# KiCad board arena_10_of_10_v1r1.kicad_pcb (continued)
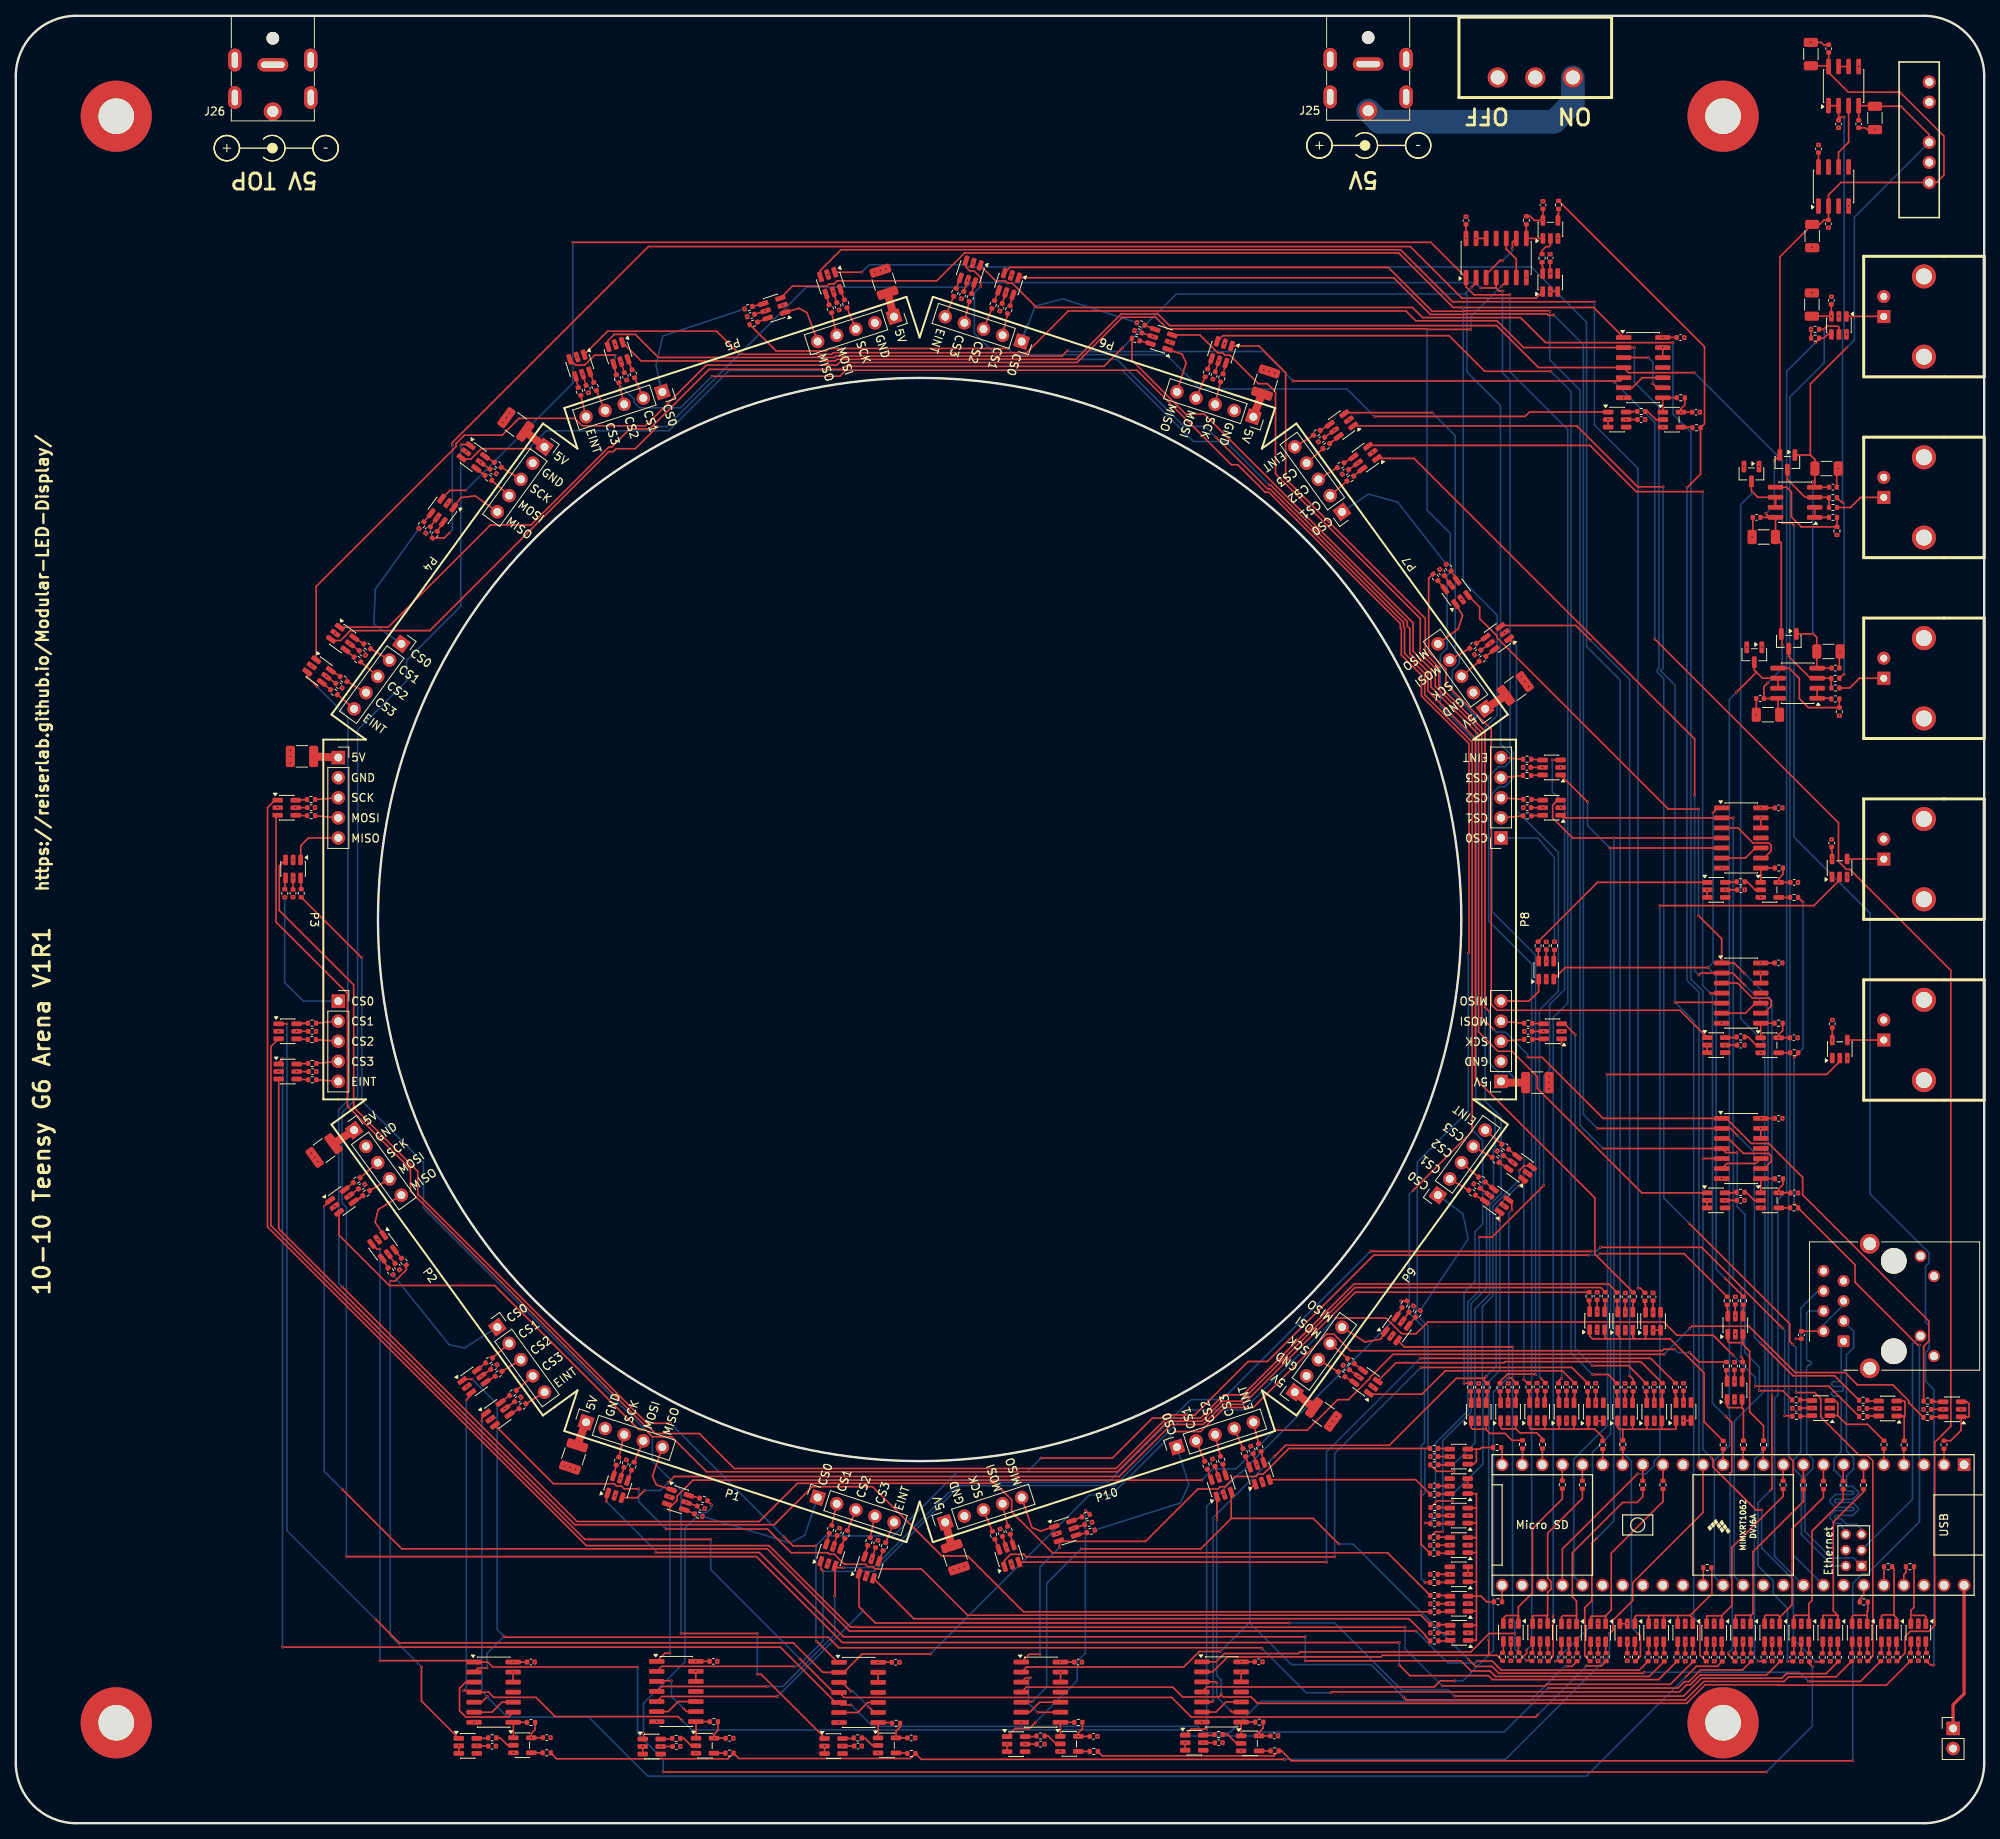
[diagram p0: board, top side]
## Routing (per net, layer and track width the routed paths; a pad name or vN(x,y) marks a point on that pad's centre or on a via; arc(x,y) is an arc through that point) (continued)
/Fan Out/PAN.SCK_B1_P10: length 93.4
  Top w0.2: R42.2 196.77,57.64 v1(177.67,57.64) ; v1(166.78,33.68) 127.79,33.68 127.46,34.01 125.81,34.01 125.03,33.23 U78.1
  Bottom w0.2: v1(177.67,57.64) 166.78,46.75 v1(166.78,33.68)
/Fan Out/TNY.CS_00: length 8.2
  Top w0.2: R1.1 244.68,48.38 246,49.7 U16.1 247.01,51.4 247.01,53.05 246.76,53.3 U16.3
/Fan Out/TNY.CS_01: length 7.1
  Top w0.2: R2.1 238.8,51.36 ; 238.8,51.36 238.66,51.5 U17.1 ; 238.8,51.36 238.9,51.46 238.9,53.29 238.79,53.4 U17.3
/Fan Out/TNY.CS_02: length 10.9
  Top w0.2: 230.41,51.55 231.51,50.45 234.17,50.45 R3.1 ; 230.41,51.55 U18.1 ; 230.41,51.55 230.41,53.13 230.09,53.45 U18.3
/Fan Out/TNY.CS_03: length 21.8
  Top w0.2: 230.4,26.29 228.57,26.29 228.51,26.24 U19.3 ; 230.4,26.29 229.84,26.85 229.84,38.08 233.66,41.9 R4.1 ; 230.4,26.29 230.42,26.28 ; 230.4,26.29 230.42,26.28 ; 230.42,26.28 230.42,25.22
/Fan Out/TNY.CS_04: length 22.1
  Top w0.2: 226.74,26.38 226.74,26.26 ; 226.74,26.38 226.74,26.26 ; 226.74,26.38 226.74,27.76 227.16,28.18 227.16,36.96 231.09,40.89 R5.1 ; 226.74,26.26 226.74,26.11 ; 226.74,26.26 226.7,26.3 224.99,26.3 224.84,26.15 U20.3 ; 226.74,26.26 226.74,26.11 ; 226.74,26.11 226.74,26.09 ; 226.74,26.11 226.75,26.1 226.74,26.09 ; 226.74,26 U20.1 ; 226.74,26 226.74,26.09 ; 226.74,26 226.74,26.09
/Fan Out/TNY.CS_05: length 22.4
  Top w0.2: R6.1 228.59,41.21 224.62,37.24 224.62,27.6 223.06,26.04 ; 223.06,26.04 U21.1 ; 223.06,26.04 223.06,26.13 222.88,26.31 221.3,26.31 221.16,26.17 U21.3
/Fan Out/TNY.CS_06: length 22.8
  Top w0.2: U22.3 217.48,26.3 217.47,26.3 219.31,26.3 219.38,26.24 ; 219.38,26.24 219.68,26.54 219.68,34.33 226.05,40.7 R7.1 ; 219.38,26.24 U22.1
/Fan Out/TNY.CS_07: length 23.2
  Top w0.2: U23.3 213.82,26.19 213.88,26.24 215.73,26.24 ; 215.73,26.24 217,27.52 217,34.86 223.49,41.35 R8.1 ; 215.73,26.24 U23.1
/Fan Out/TNY.CS_08: length 17.4
  Top w0.2: R9.1 221.01,50.27 219.26,52.02 219.26,59.7 218.4,60.56 218.4,60.78 ; 218.4,60.78 U24.3 ; 218.4,60.78 216.67,60.78 216.5,60.95 U24.1
/Fan Out/TNY.CS_09: length 8.1
  Top w0.2: U25.1 216.4,52.72 216.56,52.56 218.29,52.56 218.3,52.55 ; 218.3,52.55 218.47,52.38 R10.1 ; 218.3,52.55 U25.3
/Fan Out/TNY.CS_10: length 22.9
  Top w0.2: 201.05,26.23 201.01,26.19 199.24,26.19 199.15,26.1 U26.3 ; 201.05,26.23 U26.1 ; 201.05,26.23 201.76,26.94 201.76,34.15 208.3,40.69 R12.1
/Fan Out/TNY.CS_11: length 24.9
  Top w0.2: 197.37,26.25 197.37,26.2 ; 197.37,26.25 197.37,26.2 ; 197.37,26.25 195.66,26.25 195.46,26.06 195.46,25.21 ; 197.37,26.25 197.37,28.11 196.84,28.63 196.84,34.21 203.2,40.57 205.02,40.57 205.74,41.29 R13.1 ; 197.37,26.2 U27.1
/Fan Out/TNY.CS_12: length 22.2
  Top w0.2: 193.44,26.26 193.71,26.26 193.71,29.22 194.14,29.64 194.14,30.56 193.71,30.98 193.71,36.69 198.11,41.08 R16.1 ; 193.44,26.26 191.95,26.26 191.81,26.12 U28.3 ; 193.44,26.26 193.71,25.99 U28.1
/Fan Out/TNY.CS_13: length 22.3
  Top w0.2: 190.01,26.04 190.01,26.23 ; 190.01,26.04 190.01,26.23 ; 190.01,26.04 U29.1 ; 190.01,26.23 190.02,26.23 190.01,26.24 ; 190.01,26.23 190.01,26.24 ; 190.01,26.24 189.99,26.26 188.46,26.26 188.12,25.92 U29.3 ; 190.01,26.24 190.01,27.36 191.79,29.13 191.79,37.24 195.57,41.02 R17.1
/Fan Out/TNY.CS_14: length 8
  Top w0.2: 187.76,50.91 187.76,50.05 187.95,49.86 189.61,49.86 189.66,49.92 ; R18.1 193.06,48.65 192.34,49.37 190.21,49.37 189.66,49.92 ; 189.66,49.92 U30.3
/Fan Out/TNY.CS_15: length 9.2
  Top w0.2: R19.1 189.2,48.42 188.32,49.3 186.38,49.3 186.38,49.34 185.95,49.77 ; 185.95,49.77 U31.3 ; 185.95,49.77 185.89,49.83 184.23,49.83 184.05,50.01 U31.1
/Fan Out/TNY.CS_16: length 6.1
  Top w0.2: 184.7,47.32 183.61,47.32 ; 184.7,47.32 185.16,47.32 185.35,47.51 R20.1 ; 184.7,47.32 184.7,45.75 184.37,45.42 U32.1
/Fan Out/TNY.CS_17: length 10.2
  Top w0.2: U33.1 241.55,26.1 241.55,26.1 241.37,26.28 239.64,26.28 ; R21.1 240.04,27.29 239.64,26.9 239.64,26.28 ; 239.64,26.28 239.64,25.23
/Fan Out/TNY.CS_18: length 10.1
  Top w0.2: U34.1 237.82,25.98 237.52,26.28 237.52,26.36 ; 237.52,26.36 237.52,32.2 R22.1 ; 237.52,26.36 237.51,26.35 236.09,26.35 235.93,26.19 U34.3
/Fan Out/TNY.CS_19: length 5.7
  Top w0.2: 234.12,26.3 232.39,26.3 232.23,26.14 U35.3 ; 234.12,26.3 U35.1 ; 234.12,26.3 234.12,26.79 234.21,26.87 R23.1
/Fan Out/TNY.EINT: length 31.9
  Top w0.2: 184.71,28.71 184.71,30.51 ; 184.71,28.71 U40.3 ; 184.71,28.71 184.71,26.8 ; 184.71,28.71 185.3,28.71 186.01,28 R25.1 ; 184.71,30.51 184.69,30.53 U41.1 ; 184.71,30.51 184.71,34.24 ; 184.71,26.8 184.7,26.81 U40.1 ; 184.71,26.8 184.71,25.03 ; 184.71,37.94 184.71,39.83 ; 184.71,37.94 184.71,36.12 ; 184.71,37.94 184.69,37.96 183.62,37.96 ; 184.71,39.83 184.69,39.86 183.62,39.86 ; 184.71,39.83 184.71,41.67 184.72,41.68 U38.1 ; U39.3 184.71,25.03 184.71,25.03 ; U36.1 184.69,34.22 184.71,34.24 ; 184.71,25.03 184.71,23.12 184.59,23.12 184.59,23.12 183.66,23.12 ; 184.71,34.24 184.71,36.12 ; 184.71,36.12 U36.3
/Fan Out/TNY.MISO_B0: length 339.1
  Top w0.2: R195.1 213.55,186.75 213.55,177 R198.1 213.05,170.64 v1(211.33,168.92) ; R189.1 68.41,8.14 90.04,8.14 R186.1 91.44,8.18 113.14,8.18 R192.1 114.51,8.07 v1(160.46,8.07) ; U1.14 213.36,39.3 204.47,30.41 204.47,28.16 201.96,25.65 201.96,24.4 v1(201.54,23.98)
  Bottom w0.2: v1(211.33,168.92) 211.33,106.6 212.84,105.1 212.84,45.86 U1.14 ; v1(160.46,8.07) 188.39,8.07 201.54,21.22 v1(201.54,23.98)
/Fan Out/TNY.MISO_B1: length 218.4
  Top w0.2: R213.1 137.39,8.51 159.07,8.51 R210.1 160.05,9.15 161.31,7.89 v1(232.31,7.89) ; R204.1 225.4,97.38 v1(224.89,96.87) ; v1(226.02,116.54) 225.94,116.54 R207.1 ; v1(240.73,60.49) 240.51,60.49 232.59,68.41 232.59,70.63 R201.1 225.39,77.9 v1(224.89,78.41)
  Bottom w0.2: v1(224.89,78.41) v1(224.89,96.87) 226.02,98 v1(226.02,116.54) ; v1(232.31,7.89) 232.31,30.31 233.53,31.54 234.14,31.54 240.73,38.13 240.73,45.34 ; U1.3 240.73,45.34 ; 240.73,45.34 v1(240.73,60.49)
/Fan Out/TNY.MOSI_B0: length 32.8
  Top w0.2: 206.1,61.26 U9.1 ; 206.1,61.26 204.76,61.26 ; 206.1,61.26 209.19,61.26 213.5,56.95 213.5,50.77 R11.1 ; 204.76,61.26 203.03,61.26 ; 204.76,61.26 204.49,61.54 U8.3 ; 203.03,61.26 201.5,61.26 ; 203.03,61.26 202.58,61.71 202.58,62.37 ; 200.93,62 U7.3 200.93,62 ; 200.93,62 200.93,61.57 201.24,61.26 ; 199.03,62.02 U7.1 199.03,62.02 ; 199.03,62.02 199.03,61.62 199.39,61.26 201.24,61.26 ; 201.24,61.26 201.5,61.26 ; 201.24,61.26 201.5,61.26
/Fan Out/TNY.MOSI_B1: length 14.1
  Top w0.2: 206.24,49.82 208.14,49.82 ; 206.24,49.82 206.25,49.83 U14.1 ; 206.24,49.82 204.45,49.82 ; 208.14,49.82 209.89,49.82 209.95,49.88 209.95,50.93 ; 208.14,49.82 208.15,49.83 U14.3 ; U13.1 202.55,50.05 202.78,49.82 203.22,49.82 ; R14.1 203.22,49.82 ; 203.22,49.82 204.45,49.82 ; U13.3 204.45,49.82
/Fan Out/TNY.SCK_B0: length 19.5
  Top w0.2: U6.1 204.74,26.09 204.92,26.27 206.5,26.27 ; U5.3 210.17,26.24 210.13,26.27 ; 206.5,26.27 208.39,26.27 ; 206.5,26.27 206.49,26.26 U4.3 ; 210.13,26.27 208.39,26.27 ; 210.13,26.27 211.73,26.27 ; 208.39,26.27 U4.1 ; U5.1 212.06,25.94 211.73,26.27 ; 211.73,26.27 214.48,29.02 214.48,32.27 R24.1
/Fan Out/TNY.SCK_B1: length 15.4
  Top w0.2: 195.15,49.84 193.37,49.84 ; 195.15,49.84 197.04,49.84 ; 195.15,49.84 U11.1 ; 193.37,49.84 193.34,49.87 193.34,50.93 ; 193.37,49.84 191.6,49.84 191.44,50 191.44,50.93 ; 198.87,49.84 197.04,49.84 ; 198.87,49.84 199.67,49.84 200.68,48.83 R15.1 ; 198.87,49.84 198.85,49.86 U12.1 ; 197.04,49.84 197.05,49.85 U11.3
/Panels/Panel Column P1/Column Buffer/CS0_OUT: length 18.7
  Top w0.2: v1(86.82,38.81) R101.2 86.82,38.81
  Bottom w0.2: v1(86.82,38.81) 97.91,35.45 99.77,36.42 100.6,38.87 J6.1
/Panels/Panel Column P1/Column Buffer/CS1_OUT: length 2.8
  Top w0.2: 103.81,40.41 103.51,39.07 103.18,37.66 R102.2
/Panels/Panel Column P1/Column Buffer/CS2_OUT: length 2.8
  Top w0.2: R103.2 J6.3
/Panels/Panel Column P1/Column Buffer/CS_3OUT: length 2.8
  Top w0.2: J6.4 108.64,38.84 R104.2
/Panels/Panel Column P1/Column Buffer/EINT_OUT: length 2.8
  Top w0.2: R105.2 J6.5
/Panels/Panel Column P1/Column Buffer/MISO_IN: length 7.1
  Top w0.2: 82.94,42.17 81.01,42.79 80.51,43.9 J5.5 ; 82.94,42.17 U43.1 82.94,42.17
/Panels/Panel Column P1/Column Buffer/MOSI_OUT: length 2.9
  Top w0.2: 79.35,48.36 78.19,45.65 R100.2
/Panels/Panel Column P1/Column Buffer/SCK_OUT: length 2.9
  Top w0.2: J5.3 76.43,47.02 76.25,46.28
/Panels/Panel Column P2/Column Buffer/CS0_OUT: length 18.3
  Top w0.2: R109.2 47.69,69.38 ; 47.69,69.38 v1(47.69,69.38) ; 47.69,69.38 47.69,69.38
  Bottom w0.2: J8.1 60.89,62.74 56.75,60.11 54.8,60.52 v1(47.69,69.38)
/Panels/Panel Column P2/Column Buffer/CS1_OUT: length 2.8
  Top w0.2: R110.2 J8.2
/Panels/Panel Column P2/Column Buffer/CS2_OUT: length 3.2
  Top w0.2: 61.77,57.32 61.65,57.32 R111.2 61.77,57.32 ; 61.77,57.32 J8.3
/Panels/Panel Column P2/Column Buffer/CS_3OUT: length 2.8
  Top w0.2: 63.28,54.72 R112.2 J8.4
/Panels/Panel Column P2/Column Buffer/EINT_OUT: length 2.8
  Top w0.2: 66.86,54.52 65.97,53.97 R113.2
/Panels/Panel Column P2/Column Buffer/MISO_IN: length 7.1
  Top w0.2: U47.1 45.43,76.02 45.84,77.62 48.76,79.44 J7.5
/Panels/Panel Column P2/Column Buffer/MOSI_OUT: length 3.4
  Top w0.2: 45.07,80.19 44.93,80.19 R108.2 45.07,80.19 ; 45.07,80.19 J7.4
/Panels/Panel Column P2/Column Buffer/SCK_OUT: length 2.9
  Top w0.2: R107.2 J7.3
/Panels/Panel Column P3/Column Buffer/CS0_OUT: length 18.5
  Top w0.2: R117.2 v1(34.01,117.11)
  Bottom w0.2: 40.78,103.98 J10.1 36.37,103.98 33.99,106.32 v1(34.01,117.11)
/Panels/Panel Column P3/Column Buffer/CS1_OUT: length 2.8
  Top w0.2: 40.78,101.44 J10.2 R118.2
/Panels/Panel Column P3/Column Buffer/CS2_OUT: length 2.8
  Top w0.2: 40.78,98.9 J10.3 R119.2
/Panels/Panel Column P3/Column Buffer/CS_3OUT: length 2.8
  Top w0.2: R120.2 38,96.09 J10.4 40.78,96.36
/Panels/Panel Column P3/Column Buffer/EINT_OUT: length 2.8
  Top w0.2: 40.78,93.82 J10.5 R121.2
/Panels/Panel Column P3/Column Buffer/MISO_IN: length 7
  Top w0.2: 40.78,124.62 J9.5 37,124.62 36.04,123.64 36.01,121.84
/Panels/Panel Column P3/Column Buffer/MOSI_OUT: length 2.9
  Top w0.2: R116.2 J9.4 40.78,127.16
/Panels/Panel Column P3/Column Buffer/SCK_OUT: length 2.9
  Top w0.2: R115.2 J9.3 40.78,129.7
/Panels/Panel Column P4/Column Buffer/CS0_OUT: length 19.5
  Top w0.2: 50.99,163.77 51,163.77 50.99,163.77 ; 50.99,163.77 v1(50.99,163.77)
  Bottom w0.2: 48.76,149.16 45.28,151.65 45.46,156.06 v1(50.99,163.77) ; J12.1 47.68,149.95
/Panels/Panel Column P4/Column Buffer/CS1_OUT: length 2.8
  Top w0.2: J12.2 R126.2
/Panels/Panel Column P4/Column Buffer/CS2_OUT: length 2.8
  Top w0.2: 43.61,146.89 44.04,146.52 J12.3
/Panels/Panel Column P4/Column Buffer/CS_3OUT: length 2.8
  Top w0.2: J12.4 44.28,143 41.87,144.41 R128.2
/Panels/Panel Column P4/Column Buffer/EINT_OUT: length 2.8
  Top w0.2: 42.78,140.94 42.13,141.5 41.39,142.13 R129.2
/Panels/Panel Column P4/Column Buffer/MISO_IN: length 6.8
  Top w0.2: 60.89,165.86 60.89,165.86 ; 60.89,165.86 58.1,167.88 56.27,167.66 55.43,166.46 ; 60.89,165.86 J11.5
/Panels/Panel Column P4/Column Buffer/MOSI_OUT: length 2.9
  Top w0.2: J11.4 60.65,169.44 60.17,169.86
/Panels/Panel Column P4/Column Buffer/SCK_OUT: length 2.9
  Top w0.2: 61.36,171.51 62.17,171.02 J11.3
/Panels/Panel Column P5/Column Buffer/CS0_OUT: length 20
  Top w0.2: 92.16,191.53 R133.2 92.16,191.53 ; 92.16,191.53 v1(92.16,191.53)
  Bottom w0.2: 81.36,182.71 80.95,184.38 81.81,188.1 v1(92.16,191.53) ; 81.36,182.71 J14.1 81.3,182.48 81.36,182.54 81.36,182.71
/Panels/Panel Column P5/Column Buffer/CS1_OUT: length 3.4
  Top w0.2: 79.35,180.8 J14.2 ; 79.35,180.25 78.94,181.22 78.25,182.84 R134.2
/Panels/Panel Column P5/Column Buffer/CS2_OUT: length 2.8
  Top w0.2: R135.2 76.61,180.79 J14.3
/Panels/Panel Column P5/Column Buffer/CS_3OUT: length 2.8
  Top w0.2: R136.2 J14.4
/Panels/Panel Column P5/Column Buffer/EINT_OUT: length 2.8
  Top w0.2: R137.2 J14.5
/Panels/Panel Column P5/Column Buffer/MISO_IN: length 6.9
  Top w0.2: J13.5 100.05,191.06 99.03,191.61 U59.1
/Panels/Panel Column P5/Column Buffer/MOSI_OUT: length 2.9
  Top w0.2: 103.81,188.19 103.5,189.58 R132.2
/Panels/Panel Column P5/Column Buffer/SCK_OUT: length 2.9
  Top w0.2: R131.2 J13.3
/Panels/Panel Column P6/Column Buffer/CS0_OUT: length 20.7
  Top w0.2: v1(141.78,189.79) R141.2 141.78,189.79
  Bottom w0.2: 128.05,189.64 J16.1 127.67,188.86 127.67,189.27 128.05,189.64 ; 128.05,189.64 128.9,191.88 132.38,192.8 v1(141.78,189.79)
/Panels/Panel Column P6/Column Buffer/CS1_OUT: length 2.8
  Top w0.2: 124.79,188.19 125.09,189.53 125.42,190.94 R142.2
/Panels/Panel Column P6/Column Buffer/CS2_OUT: length 2.8
  Top w0.2: R143.2 J16.3
/Panels/Panel Column P6/Column Buffer/CS_3OUT: length 2.8
  Top w0.2: J16.4 119.96,189.76 R144.2
/Panels/Panel Column P6/Column Buffer/EINT_OUT: length 2.8
  Top w0.2: J16.5 118.07,191.84 R145.2
/Panels/Panel Column P6/Column Buffer/MISO_IN: length 7
  Top w0.2: U63.1 147.49,185.79 148,184.71 J15.5
/Panels/Panel Column P6/Column Buffer/MOSI_OUT: length 2.9
  Top w0.2: 149.25,180.25 149.68,181.26 150.41,182.95 R140.2
/Panels/Panel Column P6/Column Buffer/SCK_OUT: length 2.9
  Top w0.2: J15.3 152.18,181.58 152.35,182.32
/Panels/Panel Column P7/Column Buffer/CS0_OUT: length 17.8
  Top w0.2: v1(180.9,159.22) R149.2
  Bottom w0.2: v1(180.9,159.22) 174.75,167.09 171.05,168.1 167.71,165.86 J18.1
/Panels/Panel Column P7/Column Buffer/CS1_OUT: length 2.8
  Top w0.2: R150.2 J18.2
/Panels/Panel Column P7/Column Buffer/CS2_OUT: length 2.8
  Top w0.2: J18.3 166.83,171.28 R151.2
/Panels/Panel Column P7/Column Buffer/CS_3OUT: length 2.8
  Top w0.2: 165.32,173.88 R152.2 J18.4
/Panels/Panel Column P7/Column Buffer/EINT_OUT: length 2.8
  Top w0.2: 161.74,174.08 161.74,174.08 R153.2
/Panels/Panel Column P7/Column Buffer/MISO_IN: length 6.7
  Top w0.2: 179.84,149.16 182.41,151.06 182.9,152.58 182.94,152.78 U67.1
/Panels/Panel Column P7/Column Buffer/MOSI_OUT: length 2.9
  Top w0.2: J17.4 183.53,148.41 R148.2
/Panels/Panel Column P7/Column Buffer/SCK_OUT: length 2.9
  Top w0.2: R147.2 J17.3
/Panels/Panel Column P8/Column Buffer/CS0_OUT: length 19.7
  Top w0.2: 194.58,111.5 R157.2 194.58,111.5 ; 194.58,111.5 v1(194.58,111.5)
  Bottom w0.2: J20.1 188.97,124.62 188.97,124.62 ; 188.97,124.62 187.82,124.62 ; 188.97,124.62 192.46,124.6 194.56,122.14 v1(194.58,111.5)
/Panels/Panel Column P8/Column Buffer/CS1_OUT: length 2.8
  Top w0.2: R158.2 J20.2 187.82,127.16
/Panels/Panel Column P8/Column Buffer/CS2_OUT: length 2.8
  Top w0.2: 187.82,129.7 J20.3 R159.2
/Panels/Panel Column P8/Column Buffer/CS_3OUT: length 3
  Top w0.2: 187.93,132.36 J20.4 ; R160.2 190.6,132.51 187.82,132.24
/Panels/Panel Column P8/Column Buffer/EINT_OUT: length 2.8
  Top w0.2: R161.2 J20.5 187.82,134.78
/Panels/Panel Column P8/Column Buffer/MISO_IN: length 9.4
  Top w0.2: 189.57,103.98 191.32,103.97 192.57,105.17 192.58,105.97 ; 189.57,103.98 187.82,103.98 J19.5 ; 189.57,103.98 187.82,103.98 ; 192.58,105.97 192.59,105.98 192.59,106.77 192.58,105.97
/Panels/Panel Column P8/Column Buffer/MOSI_OUT: length 2.9
  Top w0.2: R156.2 J19.4 187.82,101.44
/Panels/Panel Column P8/Column Buffer/SCK_OUT: length 2.9
  Top w0.2: 187.82,98.9 J19.3 R155.2
/Panels/Panel Column P9/Column Buffer/CS0_OUT: length 19.6
  Top w0.2: 177.6,64.84 v1(177.6,64.84) ; 177.6,64.84 177.6,64.84 177.6,64.84
  Bottom w0.2: J22.1 180.92,78.65 181.01,78.56 ; v1(177.6,64.84) 183.68,73.91 182.98,77.09 181.01,78.56 ; 181.01,78.56 179.84,79.44
/Panels/Panel Column P9/Column Buffer/CS1_OUT: length 2.8
  Top w0.2: R166.2 181.94,81.13 J22.2
/Panels/Panel Column P9/Column Buffer/CS2_OUT: length 2.8
  Top w0.2: 185,81.71 J22.3
/Panels/Panel Column P9/Column Buffer/CS_3OUT: length 2.8
  Top w0.2: J22.4 184.32,85.6 186.73,84.19
/Panels/Panel Column P9/Column Buffer/EINT_OUT: length 2.8
  Top w0.2: R169.2 186.47,87.1 185.81,87.66
/Panels/Panel Column P9/Column Buffer/MISO_IN: length 6.6
  Top w0.2: 173.21,62.19 172.59,61.22 170.62,60.86 168.57,62.19 167.71,62.74
/Panels/Panel Column P9/Column Buffer/MOSI_OUT: length 2.9
  Top w0.2: 168.43,58.74 J21.4
/Panels/Panel Column P9/Column Buffer/SCK_OUT: length 3
  Top w0.2: R163.2 167.22,57.09 167.21,57.11 ; 167.21,57.11 165.63,58.08 J21.3 ; 167.21,57.11 167.24,57.09
/Panels/Panel Column P10/Column Buffer/CS0_OUT: length 18.9
  Top w0.2: 136.44,37.07 R173.2 136.44,37.07 ; 136.44,37.07 v1(136.44,37.07)
  Bottom w0.2: J24.1 148.34,42.85 147.27,40.5 v1(136.44,37.07)
/Panels/Panel Column P10/Column Buffer/CS1_OUT: length 2.8
  Top w0.2: 149.25,48.36 J24.2 150.35,45.76 R174.2
/Panels/Panel Column P10/Column Buffer/CS2_OUT: length 2.8
  Top w0.2: 152.34,46.38 151.99,47.81 J24.3 ; 152.34,46.38 R175.2 152.34,46.38
/Panels/Panel Column P10/Column Buffer/CS_3OUT: length 2.8
  Top w0.2: R176.2 J24.4
/Panels/Panel Column P10/Column Buffer/EINT_OUT: length 2.8
  Top w0.2: R177.2 J24.5
/Panels/Panel Column P10/Column Buffer/MISO_IN: length 7
  Top w0.2: J23.5 128.49,37.4 129.59,36.95 U79.1
/Panels/Panel Column P10/Column Buffer/MOSI_OUT: length 2.9
  Top w0.2: R172.2 125.1,39.02 124.79,40.41
/Panels/Panel Column P10/Column Buffer/SCK_OUT: length 2.9
  Top w0.2: J23.3 122.79,38.6 R171.2
/Power/SW_5V: length 32.3
  Bottom w0.2: SW1.1 196.9,219.2 196.9,219.19
  Bottom w3: J25.1 172.42,215.2 194.51,215.2 196.9,217.59 SW1.1
/Teensy/D36_5V: length 4.6
  Top w0.2: J3.1 236.21,99.06 231.61,99.06
/Teensy/D37_5V: length 4.6
  Top w0.2: U3.4 236.2,121.96 J4.1
/Teensy/ETH_LED: length 31.1
  Bottom w0.2: J1.10 239.86,60.61 239.86,40.99 234.04,35.16 ; 234.04,35.16 U1.61 234.03,35.16 234.04,35.16
/Teensy/ETH_R+: length 41
  Bottom w0.2: 232.91,33.03 U1.60 232.91,33.03 ; 232.91,33.03 232.42,33.53 229.62,33.53 226.25,36.9 226.25,43.87 226.26,43.87 227.26,44.87 227.26,46.03 226.47,46.82 226.47,57.7 226.68,57.91 226.87,57.91 227.08,58.13 227.08,58.23 226.87,58.44 226.68,58.44 226.47,58.66 226.47,64.54 226.7,64.77 J1.4
/Teensy/ETH_R-: length 40.5
  Bottom w0.2: J1.6 227.89,67.31 225.74,65.16 225.74,46.93 224.86,46.05 224.83,46.05 224.83,44.85 225.81,43.87 225.81,36.51 229.77,32.54 U1.65
/Teensy/ETH_T+: length 39.7
  Bottom w0.2: 231.17,60.93 J1.1 230.84,60.66 230.84,56.11 230.59,55.86 229.85,55.86 229.6,55.61 229.6,55.49 229.85,55.24 230.96,55.24 231.08,55.12 231.08,54.74 230.96,54.62 229.85,54.62 229.6,54.37 229.6,54.25 229.85,54 230.59,54 230.84,53.75 230.84,47 229.93,46.09 229.93,44.69 230.9,43.72 230.9,42.7 231.62,41.98 232.31,41.98 232.41,41.88 232.41,41.68 232.31,41.58 230.11,41.58 229.39,40.86 229.39,40.66 230.11,39.94 232.31,39.94 232.41,39.84 232.41,39.64 232.31,39.54 230.11,39.54 229.39,38.82 229.39,38.62 230.11,37.9 230.8,37.9 230.9,37.8 230.9,37.48 231.41,36.97 U1.63
/Teensy/ETH_T-: length 39.8
  Bottom w0.2: U1.62 233.41,37.16 232.77,37.8 231.52,37.8 230.8,38.52 230.11,38.52 230.01,38.62 230.01,38.82 230.11,38.92 232.31,38.92 233.03,39.64 233.03,39.84 232.31,40.56 230.11,40.56 230.01,40.66 230.01,40.86 230.11,40.96 232.31,40.96 233.03,41.68 233.03,41.88 232.31,42.6 231.62,42.6 231.52,42.7 231.52,43.93 232.41,44.82 232.41,46.18 231.5,47.09 231.5,59.23 232.42,60.15 232.42,62.22 J1.3
Net-(J1-RCT): length 7.7
  Top w0.2: C1.1 J1.2
  Bottom w0.2: J1.2 228.6,63.04 231.14,65.58 J1.5
Net-(R28-Pad1): length 1.5
  Top w0.2: R28.1 208.39,21.58 U4.6
Net-(R29-Pad1): length 1.5
  Top w0.2: R29.1 206.49,21.58 U4.4
Net-(R30-Pad1): length 1.5
  Top w0.2: U5.6 212.06,21.58 R30.1
Net-(R31-Pad1): length 1.5
  Top w0.2: R31.1 210.17,21.6 U5.4
Net-(R32-Pad1): length 1.5
  Top w0.2: R32.1 204.74,21.59 U6.6
Net-(R33-Pad1): length 2
  Top w0.2: R33.1 198.95,65.79 199.03,65.71 199.03,65.2 ; 199.03,65.2 U7.6 199.03,65.2
Net-(R34-Pad1): length 1.9
  Top w0.2: 200.93,65.1 200.93,65.5 201,65.57 201,66.15 ; 200.93,65.1 200.93,65.09 U7.4 200.93,65.1
Net-(R35-Pad1): length 1.5
  Top w0.2: 202.58,64.65 202.58,65.36 202.51,65.43 R35.1
Net-(R36-Pad1): length 1.5
  Top w0.2: R36.1 204.55,65.67 204.49,65.61 U8.4
Net-(R37-Pad1): length 1.5
  Top w0.2: R37.1 206.02,65.59 206.1,65.51 U9.6
Net-(R38-Pad1): length 1.5
  Top w0.2: R38.1 191.35,54.07 191.44,53.98 U10.6
Net-(R39-Pad1): length 1.5
  Top w0.2: U10.4 193.34,53.97 193.42,54.05 193.41,54.06 R39.1
Net-(R40-Pad1): length 1.5